# Allegro board 1155001-Timing_board_V3_20241024_1805_pcb.brd (continued)
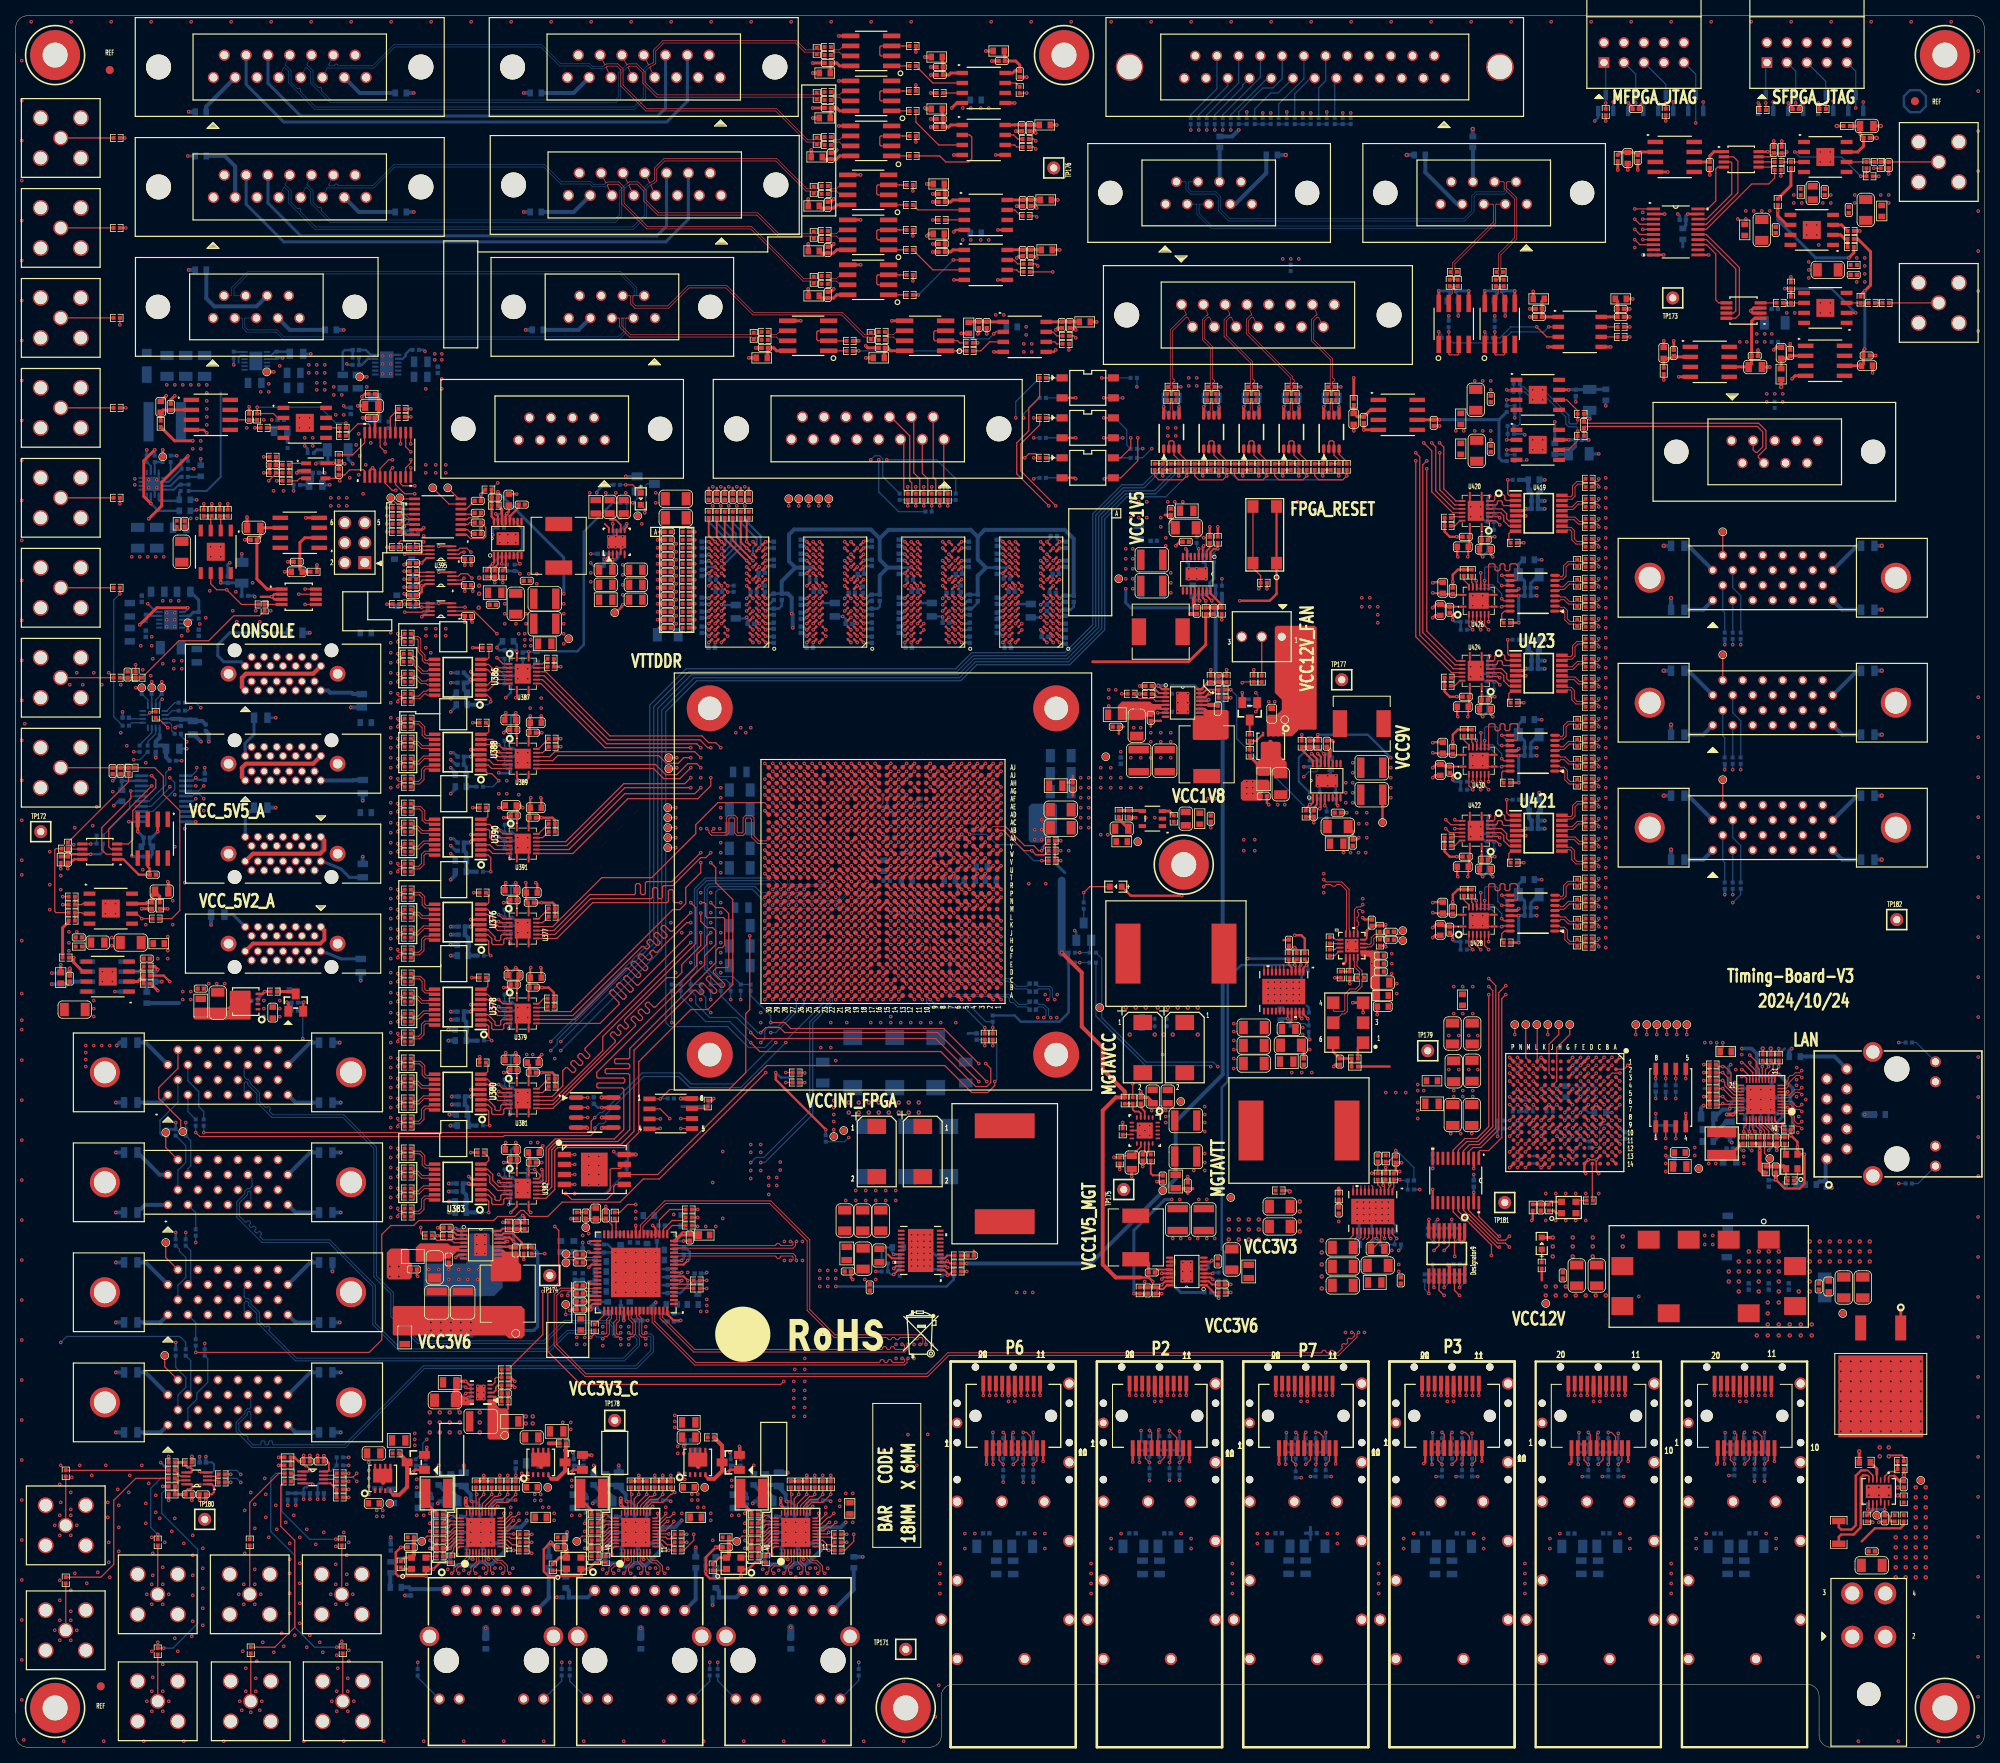
[diagram p0: board, top side]
## Placement (name value [footprint] x y rotation side) (continued)
R2912  0  [R0402]  49.78 78.87 180 top
R2913  0  [R0402]  49.78 81.41 180 top
R2914  0  [R0402]  49.78 82.42 180 top
R2915  4.7K_DNP  [R0402]  62.48 84.84 0 bottom
R2916  4.7K_DNP  [R0402]  62.48 81.79 0 bottom
R2917  1K  [R0402]  68.07 84.96 0 top
R2918  1K  [R0402]  62.48 83.82 0 bottom
R2919  1K  [R0402]  68.07 83.95 0 top
R2920  1K  [R0402]  62.48 82.8 0 bottom
R2921  4.7K_DNP  [R0402]  62.48 73.41 0 bottom
R2922  4.7K_DNP  [R0402]  62.48 70.36 0 bottom
R2923  1K  [R0402]  62.48 72.39 0 bottom
R2924  1K  [R0402]  59.05 75.56 0 top
R2925  4.7K  [R0402]  58.8 67.94 0 bottom
R2926  1K  [R0402]  62.48 71.37 0 bottom
R2927  1K  [R0402]  65.02 73.03 270 bottom
R2928  0  [R0402]  49.78 84.96 180 top
R2929  1K  [R0402]  66.8 72.26 270 bottom
R2930  0  [R0402]  49.78 83.95 180 top
R2933  0  [R0402]  49.78 86.49 180 top
R2934  0  [R0402]  49.78 87.5 180 top
R2935  0  [R0402]  49.78 68.45 180 top
R2936  0  [R0402]  49.78 67.44 180 top
R2939  0  [R0402]  49.78 69.98 180 top
R2941  0  [R0402]  49.78 70.99 180 top
R2947  0  [R0402]  49.78 73.53 180 top
R2948  0  [R0402]  49.78 72.52 180 top
R2951  0  [R0402]  49.78 75.06 180 top
R2952  0  [R0402]  49.78 76.07 180 top
R2953  4.7K_DNP  [R0402]  62.48 135.13 0 bottom
R2954  1K  [R0402]  59.69 139.7 0 top
R2955  4.7K  [R0402]  58.8 132.46 0 bottom
R2956  0  [R0402]  49.78 133.86 180 top
R2957  0  [R0402]  49.78 132.84 180 top
R2958  4.7K_DNP  [R0402]  62.48 138.3 0 bottom
R2959  0  [R0402]  49.78 135.38 180 top
R2960  0  [R0402]  49.78 136.4 180 top
R2961  0  [R0402]  49.66 138.94 180 top
R2962  0  [R0402]  49.66 137.92 180 top
R2963  1K  [R0402]  62.48 137.16 0 bottom
R2964  0  [R0402]  49.78 140.46 180 top
R2965  1K  [R0402]  67.94 137.29 0 top
R2966  1K  [R0402]  62.48 136.14 0 bottom
R2967  1K  [R0402]  67.94 138.3 0 top
R2968  0  [R0402]  49.78 141.48 180 top
R2969  4.7K  [R0402]  58.93 122.05 0 bottom
R2970  0  [R0402]  49.78 123.06 180 top
R2971  1K  [R0402]  59.31 130.18 0 top
R2972  0  [R0402]  49.78 122.05 180 top
R2973  0  [R0402]  49.78 124.59 180 top
R2974  0  [R0402]  49.78 125.6 180 top
R2975  0  [R0402]  49.78 128.14 180 top
R2976  0  [R0402]  49.78 127.13 180 top
R2977  4.7K_DNP  [R0402]  62.48 127.89 0 bottom
R2978  4.7K_DNP  [R0402]  62.48 124.84 0 bottom
R2979  0  [R0402]  49.78 129.67 180 top
R2980  0  [R0402]  49.78 130.68 180 top
R2981  1K  [R0402]  68.07 127.13 0 top
R2982  1K  [R0402]  68.07 128.14 0 top
R2983  1K  [R0402]  62.48 126.87 0 bottom
R2984  1K  [R0402]  62.48 125.86 0 bottom
R2985  0  [R0402]  49.78 112.27 180 top
R2986  1K  [R0402]  59.31 119.38 0 top
R2987  4.7K  [R0402]  58.93 111.25 0 bottom
R2988  0  [R0402]  49.78 111.25 180 top
R2989  0  [R0402]  49.78 113.79 180 top
R2990  0  [R0402]  49.78 114.81 180 top
R2991  0  [R0402]  49.78 117.35 180 top
R2992  0  [R0402]  49.78 116.33 180 top
R2993  0  [R0402]  49.78 118.87 180 top
R2994  0  [R0402]  49.78 119.89 180 top
R2995  4.7K_DNP  [R0402]  62.48 117.22 0 bottom
R2996  4.7K_DNP  [R0402]  62.48 114.17 0 bottom
R2997  1K  [R0402]  68.07 116.33 0 top
R2998  1K  [R0402]  68.07 117.35 0 top
R2999  1K  [R0402]  62.48 115.19 0 bottom
R3000  1K  [R0402]  62.48 116.2 0 bottom
R3005  0  [R0402]  34.29 161.93 0 top
R3006  1K_DNP  [R0402]  32.64 161.93 0 top
R3023  4.7K  [R0402]  10.67 114.81 180 bottom
R3024  0_DNP  [R0402]  10.67 115.82 180 bottom
R3025  0  [R0402]  12.83 181.61 0 top
R3026  0  [R0402]  32.64 163.96 180 top
R3027  4.7K_DNP  [R0402]  50.44 152.48 0 top
R3028  1K  [R0402]  48.29 152.48 0 top
R3029  4.7K  [R0402]  50.44 149.43 0 top
R3031  4.7K  [R0402]  50.44 145.24 0 top
R3032  1K_DNP  [R0402]  48.29 145.24 0 top
R3034  0  [R0402]  12.83 193.04 0 top
R3055  4.7K  [R0402]  105.92 178.69 0 top
R3056  0  [R0402]  95.12 178.82 180 top
R3057  0  [R0402]  95.12 179.83 180 top
R3058  120_DNP  [R0402]  93.73 179.32 270 top
R3059  0  [R0402]  105.92 177.42 180 top
R3060  0  [R0402]  133.35 179.32 180 top
R3061  4.7K  [R0402]  121.16 178.44 0 top
R3062  0  [R0402]  109.98 178.82 180 top
R3063  0  [R0402]  109.98 179.83 180 top
R3064  120_DNP  [R0402]  108.58 179.32 270 top
R3065  0  [R0402]  121.16 177.42 180 top
R3066  0  [R0402]  133.35 178.31 180 top
R3067  4.7K  [R0402]  113.92 204.72 0 top
R3068  0  [R0402]  103.12 203.58 180 top
R3069  0  [R0402]  103.12 204.6 180 top
R3070  120_DNP  [R0402]  101.73 204.09 270 top
R3071  0  [R0402]  113.92 202.18 180 top
R3072  4.7K  [R0402]  113.92 210.44 0 top
R3073  0  [R0402]  103.12 209.3 180 top
R3074  0  [R0402]  103.12 210.31 180 top
R3075  120_DNP  [R0402]  101.73 209.8 270 top
R3076  0  [R0402]  113.92 207.9 180 top
R3077  4.7K  [R0402]  113.92 216.15 0 top
R3078  0  [R0402]  103.12 215.01 180 top
R3079  0  [R0402]  103.12 216.03 180 top
R3080  120_DNP  [R0402]  101.73 215.52 270 top
R3081  0  [R0402]  113.92 213.61 180 top
R3082  0  [R0402]  128.27 204.34 180 top
R3083  0  [R0402]  128.27 203.33 180 top
R3084  0  [R0402]  127.51 210.57 90 top
R3085  4.7K  [R0402]  113.54 187.07 0 top
R3086  0  [R0402]  102.74 185.93 180 top
R3087  0  [R0402]  102.74 186.94 180 top
R3088  120_DNP  [R0402]  101.35 186.44 270 top
R3089  0  [R0402]  113.54 184.53 180 top
R3090  4.7K  [R0402]  113.54 192.79 0 top
R3091  0  [R0402]  102.74 191.64 180 top
R3092  0  [R0402]  102.74 192.66 180 top
R3093  120_DNP  [R0402]  101.35 192.15 270 top
R3094  0  [R0402]  113.54 190.25 180 top
R3095  4.7K  [R0402]  113.54 198.5 0 top
R3096  0  [R0402]  102.74 197.36 180 top
R3097  0  [R0402]  102.74 198.37 180 top
R3098  120_DNP  [R0402]  101.35 197.87 270 top
R3099  0  [R0402]  113.54 195.96 180 top
R3100  0  [R0402]  128.4 188.47 180 top
R3101  0  [R0402]  128.4 187.45 180 top
R3102  0  [R0402]  128.27 194.56 180 top
R3103  4.7K  [R0402]  117.6 194.06 180 top
R3104  4.7K  [R0402]  117.35 210.19 180 top
R3106  33  [R0402]  50.44 147.4 180 top
R3108  20K  [R0402]  23.88 156.84 90 top
R3109  4.99K  [R0402]  24.89 156.84 90 top
R3110  49.9  [R0402]  26.92 156.84 270 top
R3111  200  [R0402]  25.91 156.84 270 top
R3112  10K  [R0402]  7.11 106.05 0 top
R3113  10K  [R0402]  7.11 105.03 180 top
R3114  301  [R0402]  7.11 108.08 180 top
R3115  43  [R0402]  7.11 107.06 0 top
R3116  10  [R0402]  6.62 114.57 270 top
R3117  0  [R0402]  17.78 105.28 180 top
R3118  49.9K  [R0402]  19.68 163.7 90 bottom
R3119  0  [R0402]  16.64 163.7 270 bottom
R3120  330  [R0402]  21.46 161.42 0 bottom
R3121  100K  [R0402]  17.65 163.7 270 bottom
R3122  0  [R0402]  18.67 163.7 90 bottom
R3123  287K  [R0402]  20.95 160.02 270 bottom
R3124  4.02M  [R0402]  21.97 160.02 90 bottom
R3125  0_DNP  [R0402]  31.21 145.2 0 top
R3126  0  [R0402]  31.61 144.8 90 top
R3127  10K  [R0402]  16.64 98.04 0 top
R3128  10K  [R0402]  16.64 97.03 180 top
R3129  4.99K  [R0402]  16.64 99.19 0 top
R3130  0  [R0402]  6.35 100.33 180 top
R3131  10K_DNP  [R0402]  16.51 143.51 270 bottom
R3134  120  [R0402]  167.09 172.85 180 top
R3141  0  [R0402]  15.62 135.89 0 top
R3142  0_DNP  [R0402]  14.73 124.46 0 top
R3149  0_DNP  [R0402]  15.22 136.29 90 top
R3150  10K  [R0402]  21.46 163.45 180 bottom
R3151  4.7K  [R0402]  21.46 162.43 0 bottom
R3152  100  [R0402]  166.88 102.53 270 top
R3153  0  [R0805]  211.07 144.53 180 bottom
R3154  0  [R0805]  211.07 152.65 180 bottom
R3155  0_DNP  [R0402]  218.06 141.22 270 bottom
R3156  0_DNP  [R0402]  219.07 141.22 270 bottom
R3157  0  [R0805]  235.2 144.53 0 bottom
R3158  0_DNP  [R0402]  217.04 141.22 270 bottom
R3159  0  [R0805]  235.2 152.65 0 bottom
R3160  0  [R0805]  211.07 112.78 180 bottom
R3161  0  [R0805]  211.07 120.9 180 bottom
R3162  0_DNP  [R0402]  218.06 109.47 270 bottom
R3163  0_DNP  [R0402]  219.07 109.47 270 bottom
R3164  0_DNP  [R0402]  217.04 109.47 270 bottom
R3165  0  [R0805]  235.2 112.78 0 bottom
R3166  0  [R0805]  235.2 120.9 0 bottom
R3167  0  [R0805]  211.07 128.65 180 bottom
R3168  0  [R0805]  211.07 136.78 180 bottom
R3169  0_DNP  [R0402]  218.06 125.35 270 bottom
R3170  0_DNP  [R0402]  219.07 125.35 270 bottom
R3171  0_DNP  [R0402]  217.04 125.35 270 bottom
R3172  0  [R0805]  235.2 128.65 0 bottom
R3173  0  [R0805]  235.2 136.78 0 bottom
R3174  1K  [R0402]  218.29 34.92 90 bottom
R3175  4.7K_DNP  [R0402]  220.83 34.92 270 bottom
R3176  4.7K_DNP  [R0402]  222.1 34.92 270 bottom
R3177  4.7K  [R0402]  220.83 37.08 270 bottom
R3178  4.7K  [R0402]  222.1 37.08 270 bottom
R3179  4.7K  [R0402]  220.83 38.86 90 bottom
R3180  4.7K  [R0402]  219.56 37.08 270 bottom
R3181  4.7K  [R0402]  217.02 37.08 270 bottom
R3182  4.7K_DNP  [R0402]  218.29 37.08 270 bottom
R3183  4.7K  [R0402]  219.56 38.86 90 bottom
R3184  4.7K  [R0402]  218.29 38.86 90 bottom
R3185  1K  [R0402]  199.71 34.8 90 bottom
R3186  4.7K_DNP  [R0402]  202.25 34.8 270 bottom
R3187  4.7K_DNP  [R0402]  203.52 34.8 270 bottom
R3188  4.7K  [R0402]  202.25 37.08 270 bottom
R3189  4.7K  [R0402]  203.52 37.08 270 bottom
R3190  4.7K  [R0402]  202.25 38.86 90 bottom
R3191  4.7K  [R0402]  200.98 37.08 270 bottom
R3192  4.7K  [R0402]  198.44 37.08 270 bottom
R3193  4.7K_DNP  [R0402]  199.71 37.08 270 bottom
R3194  4.7K  [R0402]  200.98 38.86 90 bottom
R3195  4.7K  [R0402]  199.71 38.86 90 bottom
R3196  33  [R0402]  50.44 148.41 180 top
R3197  0  [R0402]  199.77 153.54 0 top
R3198  0  [R0402]  199.77 152.53 0 top
R3199  4.7K_DNP  [R0402]  187.32 154.69 180 bottom
R3200  4.7K_DNP  [R0402]  187.32 157.73 180 bottom
R3201  4.7K  [R0402]  190.5 161.04 180 bottom
R3202  0  [R0402]  199.77 160.15 0 top
R3203  1K  [R0402]  190.25 153.03 180 top
R3204  0  [R0402]  199.77 161.16 0 top
R3205  0  [R0402]  199.77 158.62 0 top
R3206  0  [R0402]  199.77 157.61 0 top
R3207  0  [R0402]  199.77 155.07 0 top
R3208  0  [R0402]  199.77 156.08 0 top
R3209  1K  [R0402]  181.86 155.19 180 top
R3210  1K  [R0402]  187.32 155.7 180 bottom
R3211  1K  [R0402]  181.86 156.21 180 top
R3212  1K  [R0402]  187.32 156.72 180 bottom
R3213  0  [R0402]  199.77 112.9 0 top
R3214  0  [R0402]  199.77 111.89 0 top
R3215  4.7K_DNP  [R0402]  187.32 114.05 180 bottom
R3216  4.7K_DNP  [R0402]  187.32 117.09 180 bottom
R3217  4.7K  [R0402]  190.5 120.4 180 bottom
R3218  0  [R0402]  199.77 119.51 0 top
R3219  1K  [R0402]  190.25 112.39 180 top
R3220  0  [R0402]  199.77 120.52 0 top
R3221  0  [R0402]  199.77 117.98 0 top
R3222  0  [R0402]  199.77 116.97 0 top
R3223  0  [R0402]  199.77 114.43 0 top
R3224  0  [R0402]  199.77 115.44 0 top
R3225  1K  [R0402]  181.86 114.55 180 top
R3226  1K  [R0402]  187.32 115.06 180 bottom
R3227  1K  [R0402]  181.86 115.57 180 top
R3228  1K  [R0402]  187.32 116.08 180 bottom
R3229  0  [R0402]  199.77 133.22 0 top
R3230  0  [R0402]  199.77 132.21 0 top
R3231  4.7K_DNP  [R0402]  187.32 134.37 180 bottom
R3232  4.7K_DNP  [R0402]  187.32 137.41 180 bottom
R3233  4.7K  [R0402]  190.5 140.72 180 bottom
R3234  0  [R0402]  199.77 139.83 0 top
R3235  1K  [R0402]  190.25 132.72 180 top
R3236  0  [R0402]  199.77 140.84 0 top
R3237  0  [R0402]  199.77 138.3 0 top
R3238  0  [R0402]  199.77 137.29 0 top
R3239  0  [R0402]  199.77 134.75 0 top
R3240  0  [R0402]  199.77 135.76 0 top
R3241  1K  [R0402]  181.86 134.87 180 top
R3242  1K  [R0402]  187.32 135.38 180 bottom
R3243  1K  [R0402]  181.86 135.89 180 top
R3244  1K  [R0402]  187.32 136.4 180 bottom
R3245  4.7K  [R0402]  189.36 142.88 180 top
R3246  4.7K  [R0402]  189.48 147.32 270 bottom
R3247  100  [R0402]  198.3 142.88 90 top
R3248  100  [R0402]  198.3 145.41 90 top
R3249  100  [R0402]  198.3 147.96 90 top
R3250  100  [R0402]  198.3 150.5 90 top
R3251  1K  [R0402]  183.9 149.22 90 top
R3252  1K  [R0402]  184.91 149.22 90 top
R3253  1K  [R0402]  183.9 141.99 0 bottom
R3254  1K  [R0402]  183.9 143 0 bottom
R3255  1K  [R0402]  183.9 101.35 0 bottom
R3256  1K  [R0402]  183.9 102.36 0 bottom
R3257  4.7K  [R0402]  189.36 102.23 180 top
R3258  4.7K  [R0402]  189.43 106.81 270 bottom
R3259  100  [R0402]  198.3 102.23 90 top
R3260  100  [R0402]  198.3 104.78 90 top
R3261  100  [R0402]  198.3 107.31 90 top
R3262  100  [R0402]  198.3 109.86 90 top
R3263  1K  [R0402]  183.9 108.58 90 top
R3264  1K  [R0402]  184.91 108.58 90 top
R3265  1K  [R0402]  183.9 121.67 0 bottom
R3266  1K  [R0402]  183.9 122.68 0 bottom
R3267  4.7K  [R0402]  189.36 122.56 180 top
R3268  4.7K  [R0402]  189.48 126.87 270 bottom
R3269  100  [R0402]  198.3 122.56 90 top
R3270  100  [R0402]  198.3 125.09 90 top
R3271  100  [R0402]  198.3 127.64 90 top
R3272  100  [R0402]  198.3 130.18 90 top
R3273  1K  [R0402]  183.9 128.91 90 top
R3274  1K  [R0402]  184.91 128.91 90 top
R3275  0  [R0402]  18.03 26.04 90 top
R3276  0  [R0402]  18.03 12.19 90 top
R3277  0  [R0402]  6.35 21.21 90 top
R3278  0  [R0402]  6.35 34.8 90 top
R3279  0  [R0402]  41.4 26.04 90 top
R3280  0  [R0402]  41.53 12.32 90 top
R3281  0  [R0402]  29.72 26.04 90 top
R3282  0  [R0402]  29.84 12.32 90 top
R3283  4.7K  [R0402]  223.77 200.41 180 top
R3284  10K  [R0402]  225.44 201.02 90 top
R3285  10K  [R0402]  223.77 201.42 180 top
R3286  43  [R0402]  235.44 199.61 0 top
R3287  301  [R0402]  235.04 201.02 270 top
R3288  0  [R0402]  236.45 201.42 0 top
R3291  0  [R0402]  166.57 171.56 90 top
R3292  0  [R0402]  167.62 171.56 90 top
R3303  0  [R0402]  199.77 142.37 180 top
R3304  0  [R0402]  199.77 143.38 180 top
R3305  0  [R0402]  199.77 144.91 180 top
R3306  0  [R0402]  199.77 145.92 180 top
R3307  0  [R0402]  199.77 147.45 180 top
R3308  0  [R0402]  199.77 148.46 180 top
R3309  0  [R0402]  199.77 149.99 180 top
R3310  0  [R0402]  199.77 151 180 top
R3311  0  [R0402]  199.77 101.73 180 top
R3312  0  [R0402]  199.77 102.74 180 top
R3313  0  [R0402]  199.77 104.27 180 top
R3314  0  [R0402]  199.77 105.28 180 top
R3315  0  [R0402]  199.77 107.82 180 top
R3316  0  [R0402]  199.77 106.81 180 top
R3317  0  [R0402]  199.77 109.35 180 top
R3318  0  [R0402]  199.77 110.36 180 top
R3319  0  [R0402]  199.77 122.05 180 top
R3320  0  [R0402]  199.77 123.06 180 top
R3321  0  [R0402]  199.77 124.59 180 top
R3322  0  [R0402]  199.77 125.6 180 top
R3323  0  [R0402]  199.77 128.14 180 top
R3324  0  [R0402]  199.77 127.13 180 top
R3325  0  [R0402]  199.77 129.67 180 top
R3326  0  [R0402]  199.77 130.68 180 top
R3327  0  [R0402]  35.43 93.6 0 bottom
R3328  100K  [R0402]  35.43 94.61 0 bottom
R3329  100K  [R0402]  30.35 94.87 0 bottom
R3330  100K  [R0402]  32.77 96.01 0 top
R3331  0  [R0402]  164.97 162.69 90 top
R3338  10K  [R0402]  168.02 162.69 270 top
R3339  10K  [R0402]  165.99 162.69 90 top
R3340  0  [R0402]  223.77 196.34 90 top
R3341  10K  [R0402]  233.04 191.64 0 top
R3342  10K  [R0402]  233.04 190.63 180 top
R3343  4.99K  [R0402]  233.04 192.66 0 top
R3344  200  [R0402]  225.44 185.73 270 top
R3345  20K  [R0402]  235.71 183.51 0 top
R3346  4.99K  [R0402]  234.3 183.92 90 top
R3347  49.9  [R0402]  225.44 183.92 90 top
R3348  0  [R0402]  237.49 183.51 180 top
R3350  0  [R0402]  224.03 183.51 180 top
R3351  0  [R0402]  15.75 126.87 90 bottom
R3352  10K_DNP  [R0402]  167 162.69 90 top
R3353  0_DNP  [R0402]  169.04 162.69 90 top
R3354  120  [R0402]  156.93 172.85 180 top
R3355  0_DNP  [R0402]  154.81 162.69 90 top
R3356  0  [R0402]  156.41 171.56 90 top
R3357  0  [R0402]  157.46 171.56 90 top
R3358  10K_DNP  [R0402]  157.86 162.69 270 top
R3359  10K_DNP  [R0402]  155.83 162.69 90 top
R3360  10K  [R0402]  156.84 162.69 90 top
R3361  0  [R0402]  158.88 162.69 90 top
R3362  120  [R0402]  151.85 172.85 180 top
R3363  0_DNP  [R0402]  149.73 162.69 90 top
R3364  0  [R0402]  151.33 171.56 90 top
R3365  0  [R0402]  152.38 171.56 90 top
R3366  10K_DNP  [R0402]  152.78 162.69 270 top
R3367  10K_DNP  [R0402]  150.75 162.69 90 top
R3368  10K  [R0402]  151.76 162.69 90 top
R3369  0  [R0402]  153.8 162.69 90 top
R3370  120  [R0402]  146.77 172.85 180 top
R3371  0_DNP  [R0402]  144.65 162.69 90 top
R3372  0  [R0402]  147.3 171.56 90 top
R3373  0  [R0402]  146.25 171.56 90 top
R3374  10K_DNP  [R0402]  147.7 162.69 270 top
R3375  10K_DNP  [R0402]  145.67 162.69 90 top
R3376  10K  [R0402]  146.69 162.69 90 top
R3377  0  [R0402]  148.72 162.69 90 top
R3378  120  [R0402]  162.01 172.85 180 top
R3379  0_DNP  [R0402]  159.89 162.69 90 top
R3380  0  [R0402]  161.49 171.56 90 top
R3381  0  [R0402]  162.54 171.56 90 top
R3382  10K_DNP  [R0402]  162.94 162.69 270 top
R3383  10K_DNP  [R0402]  160.91 162.69 90 top
R3384  10K  [R0402]  161.93 162.69 90 top
R3385  0  [R0402]  163.96 162.69 90 top
R3398  0_DNP  [R0402]  236.85 201.02 90 top
R3400  0  [R0402]  189.87 167.89 0 bottom
R3402  0  [R0402]  198.75 169.42 0 top
R3405  0_DNP  [R0402]  189.36 170.05 270 bottom
R3406  0  [R0402]  190.37 170.05 90 bottom
R3407  10K_DNP  [R0402]  189.36 163.83 270 bottom
R3408  10KDNP  [R0402]  189.87 166.88 180 bottom
R3409  0  [R0402]  198.75 166.62 0 top
R3410  0  [R0402]  190.37 163.83 90 bottom
R3411  10K  [R0402]  190.63 172.21 0 bottom
R3412  10K  [R0402]  190.63 173.23 180 bottom
R3413  0  [R0402]  203.84 180.47 180 top
R3414  0  [R0402]  203.84 179.2 180 top
R3415  4.7K  [R0402]  181.99 180.85 90 bottom
R3416  0  [R0402]  181.48 179.07 180 bottom
R3417  0  [R0402]  182.12 186.06 90 top
R3418  0  [R0402]  183.13 186.06 90 top
R3419  120_DNP  [R0402]  182.63 187.45 180 top
R3420  4.7K  [R0402]  187.83 180.85 90 bottom
R3421  0  [R0402]  187.2 179.07 180 bottom
R3422  0  [R0402]  187.96 186.06 90 top
R3423  0  [R0402]  188.98 186.06 90 top
R3424  120_DNP  [R0402]  188.47 187.45 180 top
REF  -  [unnamed#2]  10.79 7.75 0 top
REF#2  -  [unnamed#2]  11.94 213.11 0 top
REF#3  -  [unnamed#2]  241.2 209.14 0 top
REF#4  -  [unnamed#2]  241.2 209.14 180 bottom
REF#5  -  [unnamed#2]  10.79 7.75 180 bottom
REF#6  -  [unnamed#2]  11.94 213.11 180 bottom
SW8  TL3305AF160QG_DNP  [TL3305AF160QG]  158.62 154.05 90 top
TP20  TP  [TP0_8]  222.76 74.8 270 top
TP31  TP  [TP0_8]  72.39 66.04 180 top
TP32  TP  [TP0_8]  69.85 56.26 270 top
TP37  TP  [TP0_8]  232.03 55.12 270 top
TP38  TP  [TP0_8]  241.94 33.91 270 top
TP39  TP  [TP0_8]  194.31 56.39 0 top
TP40  TP  [TP0_8]  236.35 29.46 270 top
TP41  TP  [TP0_8]  105.16 78.36 0 top
TP42  TP  [TP0_8]  173.58 117.49 90 top
TP43  TP  [TP0_8]  138.43 125.86 0 top
TP44  TP  [TP0_8]  140.08 148.46 270 top
TP45  TP  [TP0_8]  154.31 69.85 0 top
TP47  TP  [TP0_8]  137.67 93.98 90 top
TP48  TP  [TP0_8]  76.07 144.15 90 top
TP49  TP  [TP0_8]  78.99 156.46 90 top
TP50  TP  [TP0_8]  145.67 70.74 90 top
TP52  TP  [TP0_8]  147.96 82.04 0 top
TP60  TP  [TP0_8]  213.74 73.53 90 top
TP61  TP  [TP0_8]  63.5 52.58 0 top
TP62  TP  [TP0_8]  62.1 39.62 180 top
TP68  TP  [TP0_8]  43.69 174.12 180 top
TP69  TP  [TP0_8]  161.16 130.56 90 top
TP78  TP  [TP0_8]  18.54 134.62 0 top
TP79  TP  [TP0_8]  17.27 134.62 90 top
TP80  TP  [TP0_8]  16 134.62 90 top
TP86  TP  [TP0_8]  31.88 174.75 270 top
TP90  TP  [TP0_8]  191.77 91.82 180 top
TP91  TP  [TP0_8]  195.96 91.82 180 top
TP92  TP  [TP0_8]  209.68 91.82 180 top
TP93  TP  [TP0_8]  212.22 91.82 180 top
TP94  TP  [TP0_8]  210.95 91.82 180 top
TP95  TP  [TP0_8]  208.41 91.82 180 top
TP96  TP  [TP0_8]  207.14 91.82 180 top
TP97  TP  [TP0_8]  205.74 91.82 180 top
TP98  TP  [TP0_8]  193.17 91.82 180 top
TP99  TP  [TP0_8]  197.36 91.82 180 top
TP100  TP  [TP0_8]  194.56 91.82 180 top
TP101  TP  [TP0_8]  190.37 91.82 180 top
TP102  TP  [TP0_8]  82.8 119.38 0 top
TP103  TP  [TP0_8]  82.93 125.73 90 top
TP104  TP  [TP0_8]  82.93 124.33 90 top
TP105  TP  [TP0_8]  82.8 116.84 0 top
TP106  TP  [TP0_8]  82.8 118.11 0 top
TP110  TP  [TP0_8]  82.8 114.3 0 top
TP111  TP  [TP0_8]  82.8 115.57 0 top
TP116  TP  [TP0_8]  101.98 158.62 180 top
TP117  TP  [TP0_8]  103.89 77.6 0 top
TP133  TP  [TP0_8]  98.17 158.62 180 top
TP134  TP  [TP0_8]  99.44 158.62 180 top
TP135  TP  [TP0_8]  100.71 158.62 180 top
TP136  TP  [TP0_8]  103.25 158.62 180 top
TP137  TP  [TP0_8]  176.15 102.49 270 top
TP138  TP  [TP0_8]  176.15 103.76 270 top
TP142  TP  [TP0_8]  69.88 61.54 180 top
TP143  TP  [TP0_8]  69.88 62.69 180 top
TP145  TP  [TP0_8]  19.05 78.11 0 top
TP146  TP  [TP0_8]  21.21 78.23 90 top
TP147  TP  [TP0_8]  70.23 140.84 90 top
TP149  TP  [TP0_8]  19.05 64.14 0 top
TP158  TP  [TP0_8]  21.84 142.88 90 top
TP159  TP  [TP0_8]  18.92 49.78 0 top
TP160  TP  [TP0_8]  52.96 160.02 0 top
TP161  TP  [TP0_8]  54.86 160.02 0 top
TP162  TP  [TP0_8]  47.62 158.75 0 top
TP163  TP  [TP0_8]  48.77 158.75 0 top
TP164  TP  [TP0_8]  71.25 26.16 180 top
TP165  TP  [TP0_8]  91.57 26.16 180 top
TP166  TP  [TP0_8]  142.49 115.06 180 top
TP167  TP  [TP0_8]  67.56 33.02 270 top
TP168  TP  [TP0_8]  87.5 33.02 270 top
TP169  TP  [TP0_8]  51.56 26.16 180 top
TP170  TP  [TP0_8]  47.5 30.99 270 top
TP171  GND TEST  [SIP-1P]  113.03 12.45 0 top
TP172  GND TEST  [SIP-1P]  3.17 116.33 180 top
TP173  GND TEST  [SIP-1P]  210.44 184.15 0 top
TP174  GND TEST  [SIP-1P]  67.82 59.94 0 top
TP175  GND TEST  [SIP-1P]  140.72 70.87 0 top
TP176  GND TEST  [SIP-1P]  131.83 200.66 0 top
TP177  GND TEST  [SIP-1P]  168.4 135.64 0 top
TP178  GND TEST  [SIP-1P]  76.07 41.53 0 top
TP179  GND TEST  [SIP-1P]  179.32 88.49 0 top
TP180  GND TEST  [SIP-1P]  24 28.96 0 top
TP181  GND TEST  [SIP-1P]  189.1 69.22 0 top
TP182  GND TEST  [SIP-1P]  238.89 105.16 0 top
TP183  TP  [TP0_8]  18.67 163.96 0 top
TP184  TP  [TP0_8]  216.79 154.43 90 top
TP185  TP  [TP0_8]  216.79 122.94 90 top
TP186  TP  [TP0_8]  216.79 138.81 90 top
U3  MAX3232EUE+T  [MAX3232EUE]  53.59 156.34 180 top
U6  25AA512T-I/SN  [25AA512T]  83.19 80.52 270 top
U7  MT25QU512ABB1EW9-0SIT_DNP  [MT25QU512ABB1EW9]  73.48 73.41 0 top
U23  -  [TPS51200DRC]  76.33 153.16 90 top
U75  MT41K512M16VRP-107 IT:P  [MT41K512M16VRP]  116.52 146.77 180 top
U76  MT41K512M16VRP-107 IT:P  [MT41K512M16VRP]  128.97 146.77 180 top
U77  MT41K512M16VRP-107 IT:P  [MT41K512M16VRP]  91.63 146.77 180 top
U78  MT41K512M16VRP-107 IT:P  [MT41K512M16VRP]  104.07 146.77 180 top
U79  -  [TMP75BID]  73.53 80.64 0 top
U88  XC7S15-2FTGB196I  [XC7S15-1FTGB196I]  196.72 80.64 270 top
U89  -  [W25Q128FVSIG]  210.19 82.55 0 top
U90  50MHz  [ECS-2520MV]  197.23 68.58 180 top
U93  -  [RTL8211FI-CG]  221.62 82.3 180 top
U94  25MHz  [ECS-2520MV]  225.55 74.42 270 top
U98  -  [AD5592RBCPZ-1-RL7]  17.53 130.92 90 bottom
U103  SIT5021AI-2DE-33E-100.000000X  [SIT5021]  169.22 92.07 90 top
U105  -  [HMC7044LP10BE]  78.74 60.33 180 top
U111  QPI-12LZ-01  [QPI-12LZ]  215.01 59.82 180 top
U112  -  [LT4356HDE-1]  236.6 32.51 270 top
U113  -  [TPS53353DQP]  114.94 63.12 180 top
U114  LT8610ACEMSE  [LT8610AC]  166.5 122.81 0 top
U115  LT8610ACEMSE  [LT8610AC]  148.19 132.68 270 top
U116  LT8610ACEMSE  [LT8610AC]  149.99 149.1 180 top
U117  -  [TPS53353DQP]  172.34 68.07 270 top
U118  -  [TPS53353DQP]  161.04 96.01 270 top
U119  LT8610ACEMSE  [LT8610AC]  148.72 60.45 90 top
U120  -  [TPS7A8500ARGR]  143.38 78.36 270 top
U126  LT8610ACEMSE  [LT8610AC]  59.04 63.85 270 top
U127  -  [TPS7A9201DSKR]  59.05 45.06 180 top
U133  LT1763IDE  [LT1763CDE]  47.12 175.67 0 bottom
U134  -  [ATS-61500W-C2-R0]  110.14 110 180 top
U239  -  [LT3094EDD]  30.48 176.15 0 bottom
U245  -  [LMK1D1204RGT]  169.67 101.85 90 top
U247  -  [XC7K325T-2FFG900I]  110.14 110 180 top
U267  -  [AD8065ARTZ]  38.1 162.18 0 top
U268  -  [ADR4550BRZ]  24.77 169.29 0 top
U269  -  [ADA4625-1ARDZ]  36.7 168.28 0 top
U271  -  [AD5445YRUZ]  47.24 164.21 90 top
U280  -  [AB37S]  136.14 172.72 270 top
U298  LT8610ACEMSE  [LT8610AC]  62.48 153.57 0 top
U303  -  [AB37S]  136.14 167.64 270 top
U304  -  [AB37S]  136.14 162.56 270 top
U305  -  [ADA4625-1ARDZ]  12.06 106.55 0 top
U313  -  [AB37S]  136.14 167.64 270 bottom
U314  -  [AB37S]  136.14 172.72 270 bottom
U315  -  [AB37S]  136.14 162.56 270 bottom
U317  ADR4540BRZ  [ADR4550BRZ]  17.4 115.44 270 top
U318  -  [MAX5216GUA]  10.67 113.79 180 top
U321  Value  [LT3045EDD]  19.68 143.26 0 bottom
U322  ADR4540BRZ  [ADR4550BRZ]  36.07 154.31 180 top
U323  -  [AD7680BRMZ]  35.94 146.18 0 top
U324  -  [TXS0108EPWR]  18.76 120.52 180 bottom
U325  -  [RTL8211FI-CG]  78.74 27.3 90 top
U326  25MHz  [ECS-2520MV]  70.87 23.37 180 top
U327  -  [RTL8211FI-CG]  99.06 27.3 90 top
U328  25MHz  [ECS-2520MV]  91.19 23.37 180 top
U329  SPX3819M5-L/TR  [ADP150AUJZ]  144.35 117.98 180 top
U350  SN74LVC2T45DCUR  [SN74LVC2T45_VSSOP8]  22.99 34.16 180 bottom
U351  SN74LVC2T45DCUR  [SN74LVC2T45_VSSOP8]  37.72 34.29 0 bottom
U352  SN74LVC2T45DCUR  [SN74LVC2T45_VSSOP8]  22.99 34.16 180 top
U353  SN74LVC2T45DCUR  [SN74LVC2T45_VSSOP8]  37.72 34.29 0 top
U374  -  [RTL8211FI-CG]  59.05 27.3 90 top
U375  25MHz  [ECS-2520MV]  51.18 23.37 180 top
U376  DSLVDS1047PWR  [SOP65P640X120-16N]  56.13 104.84 180 top
U377  -  [SN74AVC4T245RGYR]  64.39 104.02 270 top
U378  DSLVDS1047PWR  [SOP65P640X120-16N]  56.13 94.04 180 top
U379  -  [SN74AVC4T245RGYR]  64.39 93.22 270 top
U380  DSLVDS1047PWR  [SOP65P640X120-16N]  56.13 83.25 180 top
U381  -  [SN74AVC4T245RGYR]  64.39 82.43 270 top
U382  -  [SN74AVC4T245RGYR]  64.39 71 270 top
U383  DSLVDS1047PWR  [SOP65P640X120-16N]  56.13 71.82 180 top
U386  DSLVDS1047PWR  [SOP65P640X120-16N]  56.13 135.95 180 top
U387  -  [SN74AVC4T245RGYR]  64.39 136.4 270 top
U388  DSLVDS1047PWR  [SOP65P640X120-16N]  56.13 126.43 180 top
U389  -  [SN74AVC4T245RGYR]  64.39 125.61 270 top
U390  DSLVDS1047PWR  [SOP65P640X120-16N]  56.13 115.63 180 top
U391  -  [SN74AVC4T245RGYR]  64.39 114.81 270 top
U392  ADP5074ACPZ-R7  [ADP5074_LFCSP-16]  17.4 160.53 270 bottom
U394  SN74LVC2T45DCUR  [SN74LVC2T45_VSSOP8]  54 151.84 180 top
U395  SN74LVC2T45DCUR  [SN74LVC2T45_VSSOP8]  54 148.54 180 top
U396  SN74LVC2T45DCUR  [SN74LVC2T45_VSSOP8]  54 144.6 180 top
U402  -  [ISL3259EIBZ]  100.64 179.33 180 top
U403  -  [ADUM120N0BRZ]  128.14 179.2 0 top